# Altium PCB LED fix910 RD 2000278 (4F00224A_7P00494A).PcbDoc (part 1 of 3) (continued)
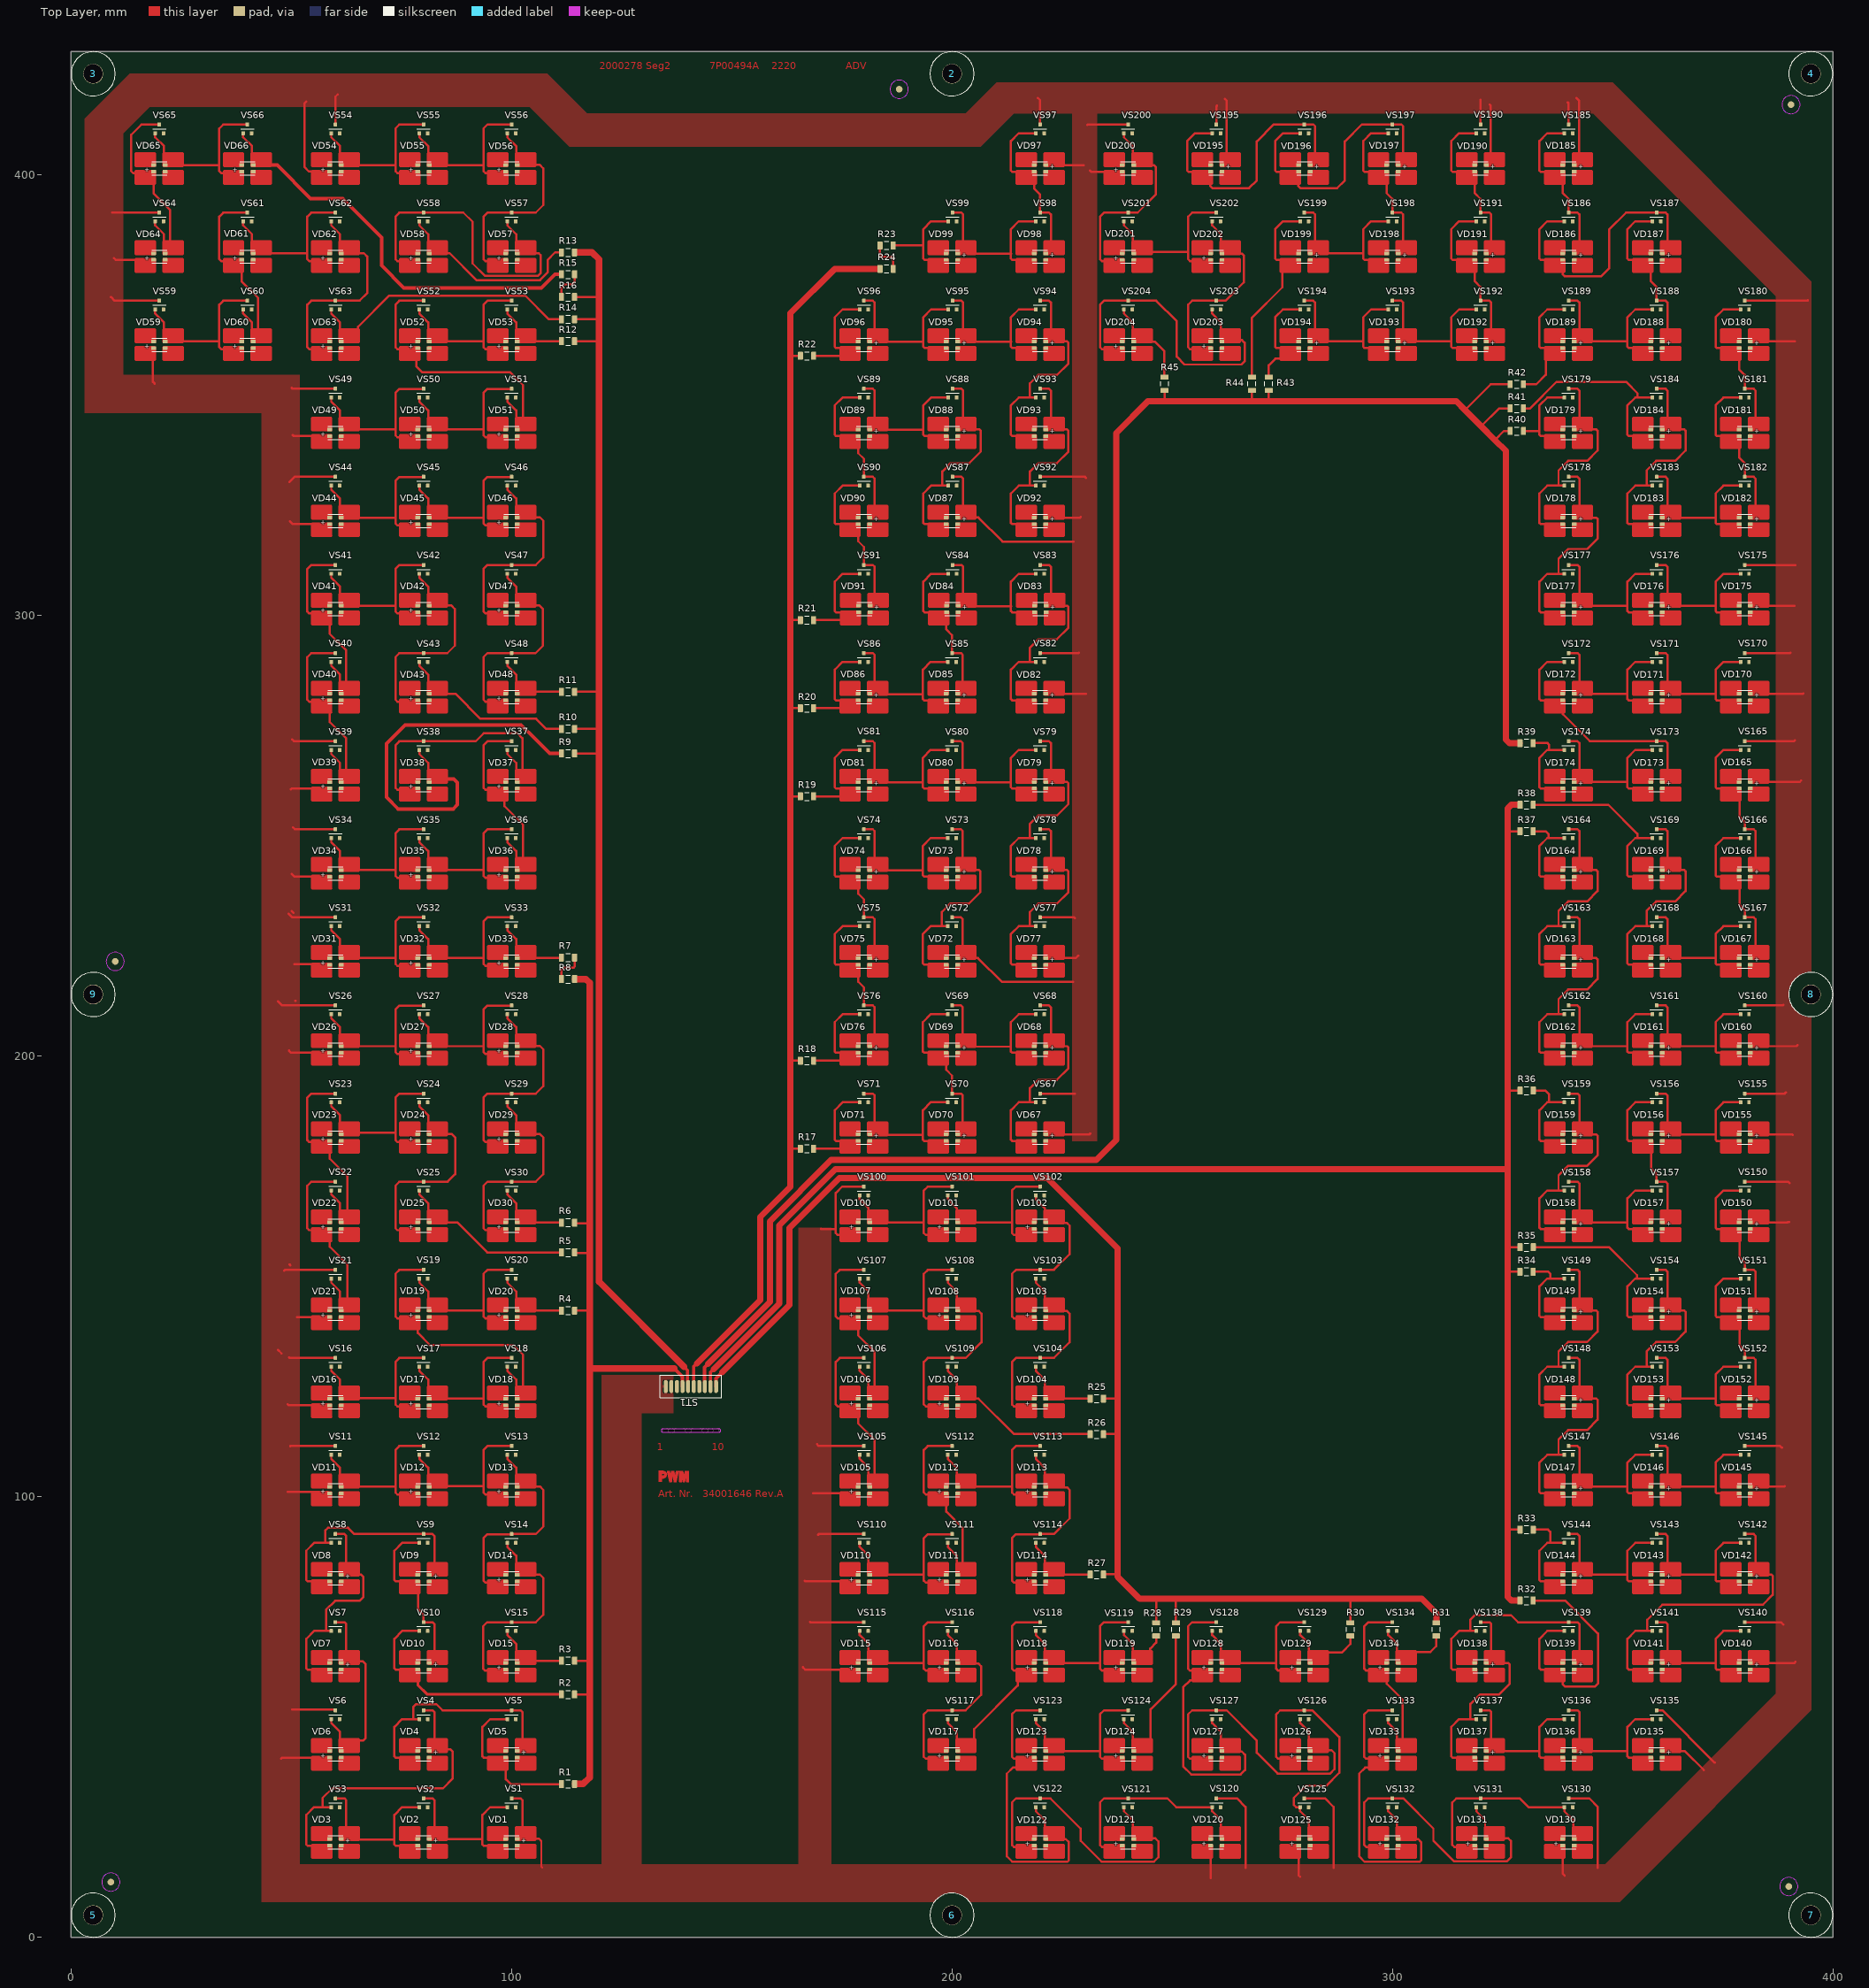
[diagram p0: Top Layer view]
## Components (designator, comment, footprint, x,y, rotation, side; value= is the part's Value field where it differs from the comment) (continued)
VD49 "LED, LS E65F-BBDA-1-Z, Red, OSRAM Opto Semiconductors Inc." E65F 60,341.5 r180 top value="LS E65F-BBDA-1-Z"
VD50 "LED, LS E65F-BBDA-1-Z, Red, OSRAM Opto Semiconductors Inc." E65F 80,341.5 r180 top value="LS E65F-BBDA-1-Z"
VD51 "LED, LS E65F-BBDA-1-Z, Red, OSRAM Opto Semiconductors Inc." E65F 100,341.5 r180 top value="LS E65F-BBDA-1-Z"
VD52 "LED, LS E65F-BBDA-1-Z, Red, OSRAM Opto Semiconductors Inc." E65F 80,361.503 r180 top value="LS E65F-BBDA-1-Z"
VD53 "LED, LS E65F-BBDA-1-Z, Red, OSRAM Opto Semiconductors Inc." E65F 100,361.505 r180 top value="LS E65F-BBDA-1-Z"
VD54 "LED, LS E65F-BBDA-1-Z, Red, OSRAM Opto Semiconductors Inc." E65F 60,401.503 r180 top value="LS E65F-BBDA-1-Z"
VD55 "LED, LS E65F-BBDA-1-Z, Red, OSRAM Opto Semiconductors Inc." E65F 80,401.503 r180 top value="LS E65F-BBDA-1-Z"
VD56 "LED, LS E65F-BBDA-1-Z, Red, OSRAM Opto Semiconductors Inc." E65F 100,401.503 r180 top value="LS E65F-BBDA-1-Z"
VD57 "LED, LS E65F-BBDA-1-Z, Red, OSRAM Opto Semiconductors Inc." E65F 100,381.503 r180 top value="LS E65F-BBDA-1-Z"
VD58 "LED, LS E65F-BBDA-1-Z, Red, OSRAM Opto Semiconductors Inc." E65F 80,381.503 r180 top value="LS E65F-BBDA-1-Z"
VD59 "LED, LS E65F-BBDA-1-Z, Red, OSRAM Opto Semiconductors Inc." E65F 20,361.503 r180 top value="LS E65F-BBDA-1-Z"
VD60 "LED, LS E65F-BBDA-1-Z, Red, OSRAM Opto Semiconductors Inc." E65F 40,361.503 r180 top value="LS E65F-BBDA-1-Z"
VD61 "LED, LS E65F-BBDA-1-Z, Red, OSRAM Opto Semiconductors Inc." E65F 40,381.503 r180 top value="LS E65F-BBDA-1-Z"
VD62 "LED, LS E65F-BBDA-1-Z, Red, OSRAM Opto Semiconductors Inc." E65F 60,381.503 r180 top value="LS E65F-BBDA-1-Z"
VD63 "LED, LS E65F-BBDA-1-Z, Red, OSRAM Opto Semiconductors Inc." E65F 60,361.503 r180 top value="LS E65F-BBDA-1-Z"
VD64 "LED, LS E65F-BBDA-1-Z, Red, OSRAM Opto Semiconductors Inc." E65F 20,381.503 r180 top value="LS E65F-BBDA-1-Z"
VD65 "LED, LS E65F-BBDA-1-Z, Red, OSRAM Opto Semiconductors Inc." E65F 20,401.503 r180 top value="LS E65F-BBDA-1-Z"
VD66 "LED, LS E65F-BBDA-1-Z, Red, OSRAM Opto Semiconductors Inc." E65F 40,401.503 r180 top value="LS E65F-BBDA-1-Z"
VD67 "LED, LS E65F-BBDA-1-Z, Red, OSRAM Opto Semiconductors Inc." E65F 220,181.5 r0 top value="LS E65F-BBDA-1-Z"
VD68 "LED, LS E65F-BBDA-1-Z, Red, OSRAM Opto Semiconductors Inc." E65F 220,201.5 r0 top value="LS E65F-BBDA-1-Z"
VD69 "LED, LS E65F-BBDA-1-Z, Red, OSRAM Opto Semiconductors Inc." E65F 200,201.5 r0 top value="LS E65F-BBDA-1-Z"
VD70 "LED, LS E65F-BBDA-1-Z, Red, OSRAM Opto Semiconductors Inc." E65F 200,181.5 r0 top value="LS E65F-BBDA-1-Z"
VD71 "LED, LS E65F-BBDA-1-Z, Red, OSRAM Opto Semiconductors Inc." E65F 180,181.5 r0 top value="LS E65F-BBDA-1-Z"
VD72 "LED, LS E65F-BBDA-1-Z, Red, OSRAM Opto Semiconductors Inc." E65F 200,221.5 r0 top value="LS E65F-BBDA-1-Z"
VD73 "LED, LS E65F-BBDA-1-Z, Red, OSRAM Opto Semiconductors Inc." E65F 200,241.5 r0 top value="LS E65F-BBDA-1-Z"
VD74 "LED, LS E65F-BBDA-1-Z, Red, OSRAM Opto Semiconductors Inc." E65F 180,241.5 r0 top value="LS E65F-BBDA-1-Z"
VD75 "LED, LS E65F-BBDA-1-Z, Red, OSRAM Opto Semiconductors Inc." E65F 180,221.5 r0 top value="LS E65F-BBDA-1-Z"
VD76 "LED, LS E65F-BBDA-1-Z, Red, OSRAM Opto Semiconductors Inc." E65F 180,201.5 r0 top value="LS E65F-BBDA-1-Z"
VD77 "LED, LS E65F-BBDA-1-Z, Red, OSRAM Opto Semiconductors Inc." E65F 220,221.5 r0 top value="LS E65F-BBDA-1-Z"
VD78 "LED, LS E65F-BBDA-1-Z, Red, OSRAM Opto Semiconductors Inc." E65F 220,241.5 r0 top value="LS E65F-BBDA-1-Z"
VD79 "LED, LS E65F-BBDA-1-Z, Red, OSRAM Opto Semiconductors Inc." E65F 220,261.5 r0 top value="LS E65F-BBDA-1-Z"
VD80 "LED, LS E65F-BBDA-1-Z, Red, OSRAM Opto Semiconductors Inc." E65F 200,261.5 r0 top value="LS E65F-BBDA-1-Z"
VD81 "LED, LS E65F-BBDA-1-Z, Red, OSRAM Opto Semiconductors Inc." E65F 180,261.5 r0 top value="LS E65F-BBDA-1-Z"
VD82 "LED, LS E65F-BBDA-1-Z, Red, OSRAM Opto Semiconductors Inc." E65F 220,281.5 r0 top value="LS E65F-BBDA-1-Z"
VD83 "LED, LS E65F-BBDA-1-Z, Red, OSRAM Opto Semiconductors Inc." E65F 220.1,301.5 r0 top value="LS E65F-BBDA-1-Z"
VD84 "LED, LS E65F-BBDA-1-Z, Red, OSRAM Opto Semiconductors Inc." E65F 200.1,301.5 r0 top value="LS E65F-BBDA-1-Z"
VD85 "LED, LS E65F-BBDA-1-Z, Red, OSRAM Opto Semiconductors Inc." E65F 200,281.5 r0 top value="LS E65F-BBDA-1-Z"
VD86 "LED, LS E65F-BBDA-1-Z, Red, OSRAM Opto Semiconductors Inc." E65F 180,281.5 r0 top value="LS E65F-BBDA-1-Z"
VD87 "LED, LS E65F-BBDA-1-Z, Red, OSRAM Opto Semiconductors Inc." E65F 200,321.5 r0 top value="LS E65F-BBDA-1-Z"
VD88 "LED, LS E65F-BBDA-1-Z, Red, OSRAM Opto Semiconductors Inc." E65F 200,341.5 r0 top value="LS E65F-BBDA-1-Z"
VD89 "LED, LS E65F-BBDA-1-Z, Red, OSRAM Opto Semiconductors Inc." E65F 180,341.5 r0 top value="LS E65F-BBDA-1-Z"
VD90 "LED, LS E65F-BBDA-1-Z, Red, OSRAM Opto Semiconductors Inc." E65F 180,321.5 r0 top value="LS E65F-BBDA-1-Z"
VD91 "LED, LS E65F-BBDA-1-Z, Red, OSRAM Opto Semiconductors Inc." E65F 180.1,301.5 r0 top value="LS E65F-BBDA-1-Z"
VD92 "LED, LS E65F-BBDA-1-Z, Red, OSRAM Opto Semiconductors Inc." E65F 220,321.5 r0 top value="LS E65F-BBDA-1-Z"
VD93 "LED, LS E65F-BBDA-1-Z, Red, OSRAM Opto Semiconductors Inc." E65F 220,341.5 r0 top value="LS E65F-BBDA-1-Z"
VD94 "LED, LS E65F-BBDA-1-Z, Red, OSRAM Opto Semiconductors Inc." E65F 220,361.5 r0 top value="LS E65F-BBDA-1-Z"
VD95 "LED, LS E65F-BBDA-1-Z, Red, OSRAM Opto Semiconductors Inc." E65F 200,361.5 r0 top value="LS E65F-BBDA-1-Z"
VD96 "LED, LS E65F-BBDA-1-Z, Red, OSRAM Opto Semiconductors Inc." E65F 180,361.5 r0 top value="LS E65F-BBDA-1-Z"
VD97 "LED, LS E65F-BBDA-1-Z, Red, OSRAM Opto Semiconductors Inc." E65F 220,401.5 r0 top value="LS E65F-BBDA-1-Z"
VD98 "LED, LS E65F-BBDA-1-Z, Red, OSRAM Opto Semiconductors Inc." E65F 220,381.5 r0 top value="LS E65F-BBDA-1-Z"
VD99 "LED, LS E65F-BBDA-1-Z, Red, OSRAM Opto Semiconductors Inc." E65F 200,381.5 r0 top value="LS E65F-BBDA-1-Z"
VD100 "LED, LS E65F-BBDA-1-Z, Red, OSRAM Opto Semiconductors Inc." E65F 180,161.5 r180 top value="LS E65F-BBDA-1-Z"
VD101 "LED, LS E65F-BBDA-1-Z, Red, OSRAM Opto Semiconductors Inc." E65F 200,161.5 r180 top value="LS E65F-BBDA-1-Z"
VD102 "LED, LS E65F-BBDA-1-Z, Red, OSRAM Opto Semiconductors Inc." E65F 220,161.5 r180 top value="LS E65F-BBDA-1-Z"
VD103 "LED, LS E65F-BBDA-1-Z, Red, OSRAM Opto Semiconductors Inc." E65F 220,141.5 r180 top value="LS E65F-BBDA-1-Z"
VD104 "LED, LS E65F-BBDA-1-Z, Red, OSRAM Opto Semiconductors Inc." E65F 220,121.5 r180 top value="LS E65F-BBDA-1-Z"
VD105 "LED, LS E65F-BBDA-1-Z, Red, OSRAM Opto Semiconductors Inc." E65F 180,101.5 r180 top value="LS E65F-BBDA-1-Z"
VD106 "LED, LS E65F-BBDA-1-Z, Red, OSRAM Opto Semiconductors Inc." E65F 180,121.5 r180 top value="LS E65F-BBDA-1-Z"
VD107 "LED, LS E65F-BBDA-1-Z, Red, OSRAM Opto Semiconductors Inc." E65F 180,141.5 r180 top value="LS E65F-BBDA-1-Z"
VD108 "LED, LS E65F-BBDA-1-Z, Red, OSRAM Opto Semiconductors Inc." E65F 200,141.5 r180 top value="LS E65F-BBDA-1-Z"
VD109 "LED, LS E65F-BBDA-1-Z, Red, OSRAM Opto Semiconductors Inc." E65F 200,121.5 r180 top value="LS E65F-BBDA-1-Z"
VD110 "LED, LS E65F-BBDA-1-Z, Red, OSRAM Opto Semiconductors Inc." E65F 180,81.5 r180 top value="LS E65F-BBDA-1-Z"
VD111 "LED, LS E65F-BBDA-1-Z, Red, OSRAM Opto Semiconductors Inc." E65F 200,81.5 r180 top value="LS E65F-BBDA-1-Z"
VD112 "LED, LS E65F-BBDA-1-Z, Red, OSRAM Opto Semiconductors Inc." E65F 200,101.5 r180 top value="LS E65F-BBDA-1-Z"
VD113 "LED, LS E65F-BBDA-1-Z, Red, OSRAM Opto Semiconductors Inc." E65F 220,101.5 r180 top value="LS E65F-BBDA-1-Z"
VD114 "LED, LS E65F-BBDA-1-Z, Red, OSRAM Opto Semiconductors Inc." E65F 220,81.5 r180 top value="LS E65F-BBDA-1-Z"
VD115 "LED, LS E65F-BBDA-1-Z, Red, OSRAM Opto Semiconductors Inc." E65F 180,61.5 r180 top value="LS E65F-BBDA-1-Z"
VD116 "LED, LS E65F-BBDA-1-Z, Red, OSRAM Opto Semiconductors Inc." E65F 200,61.5 r180 top value="LS E65F-BBDA-1-Z"
VD117 "LED, LS E65F-BBDA-1-Z, Red, OSRAM Opto Semiconductors Inc." E65F 200,41.5 r180 top value="LS E65F-BBDA-1-Z"
VD118 "LED, LS E65F-BBDA-1-Z, Red, OSRAM Opto Semiconductors Inc." E65F 220,61.5 r180 top value="LS E65F-BBDA-1-Z"
VD119 "LED, LS E65F-BBDA-1-Z, Red, OSRAM Opto Semiconductors Inc." E65F 240,61.5 r180 top value="LS E65F-BBDA-1-Z"
VD120 "LED, LS E65F-BBDA-1-Z, Red, OSRAM Opto Semiconductors Inc." E65F 260,21.5 r180 top value="LS E65F-BBDA-1-Z"
VD121 "LED, LS E65F-BBDA-1-Z, Red, OSRAM Opto Semiconductors Inc." E65F 240,21.5 r180 top value="LS E65F-BBDA-1-Z"
VD122 "LED, LS E65F-BBDA-1-Z, Red, OSRAM Opto Semiconductors Inc." E65F 220,21.5 r180 top value="LS E65F-BBDA-1-Z"
VD123 "LED, LS E65F-BBDA-1-Z, Red, OSRAM Opto Semiconductors Inc." E65F 220,41.5 r180 top value="LS E65F-BBDA-1-Z"
VD124 "LED, LS E65F-BBDA-1-Z, Red, OSRAM Opto Semiconductors Inc." E65F 240,41.5 r180 top value="LS E65F-BBDA-1-Z"
VD125 "LED, LS E65F-BBDA-1-Z, Red, OSRAM Opto Semiconductors Inc." E65F 280,21.5 r180 top value="LS E65F-BBDA-1-Z"
VD126 "LED, LS E65F-BBDA-1-Z, Red, OSRAM Opto Semiconductors Inc." E65F 280,41.5 r180 top value="LS E65F-BBDA-1-Z"
VD127 "LED, LS E65F-BBDA-1-Z, Red, OSRAM Opto Semiconductors Inc." E65F 260,41.5 r180 top value="LS E65F-BBDA-1-Z"
VD128 "LED, LS E65F-BBDA-1-Z, Red, OSRAM Opto Semiconductors Inc." E65F 260,61.5 r180 top value="LS E65F-BBDA-1-Z"
VD129 "LED, LS E65F-BBDA-1-Z, Red, OSRAM Opto Semiconductors Inc." E65F 280,61.5 r180 top value="LS E65F-BBDA-1-Z"
VD130 "LED, LS E65F-BBDA-1-Z, Red, OSRAM Opto Semiconductors Inc." E65F 340,21.5 r180 top value="LS E65F-BBDA-1-Z"
VD131 "LED, LS E65F-BBDA-1-Z, Red, OSRAM Opto Semiconductors Inc." E65F 320,21.5 r180 top value="LS E65F-BBDA-1-Z"
VD132 "LED, LS E65F-BBDA-1-Z, Red, OSRAM Opto Semiconductors Inc." E65F 300,21.5 r180 top value="LS E65F-BBDA-1-Z"
VD133 "LED, LS E65F-BBDA-1-Z, Red, OSRAM Opto Semiconductors Inc." E65F 300,41.5 r180 top value="LS E65F-BBDA-1-Z"
VD134 "LED, LS E65F-BBDA-1-Z, Red, OSRAM Opto Semiconductors Inc." E65F 300,61.5 r180 top value="LS E65F-BBDA-1-Z"
VD135 "LED, LS E65F-BBDA-1-Z, Red, OSRAM Opto Semiconductors Inc." E65F 360,41.5 r0 top value="LS E65F-BBDA-1-Z"
VD136 "LED, LS E65F-BBDA-1-Z, Red, OSRAM Opto Semiconductors Inc." E65F 340,41.5 r0 top value="LS E65F-BBDA-1-Z"
VD137 "LED, LS E65F-BBDA-1-Z, Red, OSRAM Opto Semiconductors Inc." E65F 320,41.5 r0 top value="LS E65F-BBDA-1-Z"
VD138 "LED, LS E65F-BBDA-1-Z, Red, OSRAM Opto Semiconductors Inc." E65F 320,61.5 r0 top value="LS E65F-BBDA-1-Z"
VD139 "LED, LS E65F-BBDA-1-Z, Red, OSRAM Opto Semiconductors Inc." E65F 340,61.5 r0 top value="LS E65F-BBDA-1-Z"
VD140 "LED, LS E65F-BBDA-1-Z, Red, OSRAM Opto Semiconductors Inc." E65F 380,61.5 r0 top value="LS E65F-BBDA-1-Z"
VD141 "LED, LS E65F-BBDA-1-Z, Red, OSRAM Opto Semiconductors Inc." E65F 360,61.5 r0 top value="LS E65F-BBDA-1-Z"
VD142 "LED, LS E65F-BBDA-1-Z, Red, OSRAM Opto Semiconductors Inc." E65F 380,81.5 r0 top value="LS E65F-BBDA-1-Z"
VD143 "LED, LS E65F-BBDA-1-Z, Red, OSRAM Opto Semiconductors Inc." E65F 360,81.5 r0 top value="LS E65F-BBDA-1-Z"
VD144 "LED, LS E65F-BBDA-1-Z, Red, OSRAM Opto Semiconductors Inc." E65F 340,81.5 r0 top value="LS E65F-BBDA-1-Z"
VD145 "LED, LS E65F-BBDA-1-Z, Red, OSRAM Opto Semiconductors Inc." E65F 380,101.5 r0 top value="LS E65F-BBDA-1-Z"
VD146 "LED, LS E65F-BBDA-1-Z, Red, OSRAM Opto Semiconductors Inc." E65F 360,101.5 r0 top value="LS E65F-BBDA-1-Z"
VD147 "LED, LS E65F-BBDA-1-Z, Red, OSRAM Opto Semiconductors Inc." E65F 340,101.5 r0 top value="LS E65F-BBDA-1-Z"
VD148 "LED, LS E65F-BBDA-1-Z, Red, OSRAM Opto Semiconductors Inc." E65F 340,121.5 r0 top value="LS E65F-BBDA-1-Z"
VD149 "LED, LS E65F-BBDA-1-Z, Red, OSRAM Opto Semiconductors Inc." E65F 340,141.5 r0 top value="LS E65F-BBDA-1-Z"
VD150 "LED, LS E65F-BBDA-1-Z, Red, OSRAM Opto Semiconductors Inc." E65F 380,161.5 r0 top value="LS E65F-BBDA-1-Z"
VD151 "LED, LS E65F-BBDA-1-Z, Red, OSRAM Opto Semiconductors Inc." E65F 380,141.5 r0 top value="LS E65F-BBDA-1-Z"
VD152 "LED, LS E65F-BBDA-1-Z, Red, OSRAM Opto Semiconductors Inc." E65F 380,121.5 r0 top value="LS E65F-BBDA-1-Z"
VD153 "LED, LS E65F-BBDA-1-Z, Red, OSRAM Opto Semiconductors Inc." E65F 360,121.5 r0 top value="LS E65F-BBDA-1-Z"
VD154 "LED, LS E65F-BBDA-1-Z, Red, OSRAM Opto Semiconductors Inc." E65F 360,141.5 r0 top value="LS E65F-BBDA-1-Z"
VD155 "LED, LS E65F-BBDA-1-Z, Red, OSRAM Opto Semiconductors Inc." E65F 380,181.5 r0 top value="LS E65F-BBDA-1-Z"
VD156 "LED, LS E65F-BBDA-1-Z, Red, OSRAM Opto Semiconductors Inc." E65F 360,181.5 r0 top value="LS E65F-BBDA-1-Z"
VD157 "LED, LS E65F-BBDA-1-Z, Red, OSRAM Opto Semiconductors Inc." E65F 360,161.5 r0 top value="LS E65F-BBDA-1-Z"
VD158 "LED, LS E65F-BBDA-1-Z, Red, OSRAM Opto Semiconductors Inc." E65F 340,161.5 r0 top value="LS E65F-BBDA-1-Z"
VD159 "LED, LS E65F-BBDA-1-Z, Red, OSRAM Opto Semiconductors Inc." E65F 340,181.5 r0 top value="LS E65F-BBDA-1-Z"
VD160 "LED, LS E65F-BBDA-1-Z, Red, OSRAM Opto Semiconductors Inc." E65F 380,201.5 r0 top value="LS E65F-BBDA-1-Z"
VD161 "LED, LS E65F-BBDA-1-Z, Red, OSRAM Opto Semiconductors Inc." E65F 360,201.5 r0 top value="LS E65F-BBDA-1-Z"
VD162 "LED, LS E65F-BBDA-1-Z, Red, OSRAM Opto Semiconductors Inc." E65F 340,201.5 r0 top value="LS E65F-BBDA-1-Z"
VD163 "LED, LS E65F-BBDA-1-Z, Red, OSRAM Opto Semiconductors Inc." E65F 340,221.5 r0 top value="LS E65F-BBDA-1-Z"
VD164 "LED, LS E65F-BBDA-1-Z, Red, OSRAM Opto Semiconductors Inc." E65F 340,241.5 r0 top value="LS E65F-BBDA-1-Z"
VD165 "LED, LS E65F-BBDA-1-Z, Red, OSRAM Opto Semiconductors Inc." E65F 380,261.5 r0 top value="LS E65F-BBDA-1-Z"
VD166 "LED, LS E65F-BBDA-1-Z, Red, OSRAM Opto Semiconductors Inc." E65F 380,241.5 r0 top value="LS E65F-BBDA-1-Z"
VD167 "LED, LS E65F-BBDA-1-Z, Red, OSRAM Opto Semiconductors Inc." E65F 380,221.5 r0 top value="LS E65F-BBDA-1-Z"
VD168 "LED, LS E65F-BBDA-1-Z, Red, OSRAM Opto Semiconductors Inc." E65F 360,221.5 r0 top value="LS E65F-BBDA-1-Z"
VD169 "LED, LS E65F-BBDA-1-Z, Red, OSRAM Opto Semiconductors Inc." E65F 360,241.5 r0 top value="LS E65F-BBDA-1-Z"
VD170 "LED, LS E65F-BBDA-1-Z, Red, OSRAM Opto Semiconductors Inc." E65F 380,281.5 r0 top value="LS E65F-BBDA-1-Z"
VD171 "LED, LS E65F-BBDA-1-Z, Red, OSRAM Opto Semiconductors Inc." E65F 360,281.5 r0 top value="LS E65F-BBDA-1-Z"
VD172 "LED, LS E65F-BBDA-1-Z, Red, OSRAM Opto Semiconductors Inc." E65F 340,281.5 r0 top value="LS E65F-BBDA-1-Z"
VD173 "LED, LS E65F-BBDA-1-Z, Red, OSRAM Opto Semiconductors Inc." E65F 360,261.5 r0 top value="LS E65F-BBDA-1-Z"
VD174 "LED, LS E65F-BBDA-1-Z, Red, OSRAM Opto Semiconductors Inc." E65F 340,261.5 r0 top value="LS E65F-BBDA-1-Z"
VD175 "LED, LS E65F-BBDA-1-Z, Red, OSRAM Opto Semiconductors Inc." E65F 380,301.5 r0 top value="LS E65F-BBDA-1-Z"
VD176 "LED, LS E65F-BBDA-1-Z, Red, OSRAM Opto Semiconductors Inc." E65F 360,301.5 r0 top value="LS E65F-BBDA-1-Z"
VD177 "LED, LS E65F-BBDA-1-Z, Red, OSRAM Opto Semiconductors Inc." E65F 340,301.5 r0 top value="LS E65F-BBDA-1-Z"
VD178 "LED, LS E65F-BBDA-1-Z, Red, OSRAM Opto Semiconductors Inc." E65F 340,321.5 r0 top value="LS E65F-BBDA-1-Z"
VD179 "LED, LS E65F-BBDA-1-Z, Red, OSRAM Opto Semiconductors Inc." E65F 340,341.5 r0 top value="LS E65F-BBDA-1-Z"
VD180 "LED, LS E65F-BBDA-1-Z, Red, OSRAM Opto Semiconductors Inc." E65F 380,361.5 r0 top value="LS E65F-BBDA-1-Z"
VD181 "LED, LS E65F-BBDA-1-Z, Red, OSRAM Opto Semiconductors Inc." E65F 380,341.5 r0 top value="LS E65F-BBDA-1-Z"
VD182 "LED, LS E65F-BBDA-1-Z, Red, OSRAM Opto Semiconductors Inc." E65F 380,321.5 r0 top value="LS E65F-BBDA-1-Z"
VD183 "LED, LS E65F-BBDA-1-Z, Red, OSRAM Opto Semiconductors Inc." E65F 360,321.5 r0 top value="LS E65F-BBDA-1-Z"
VD184 "LED, LS E65F-BBDA-1-Z, Red, OSRAM Opto Semiconductors Inc." E65F 360,341.5 r0 top value="LS E65F-BBDA-1-Z"
VD185 "LED, LS E65F-BBDA-1-Z, Red, OSRAM Opto Semiconductors Inc." E65F 340,401.5 r0 top value="LS E65F-BBDA-1-Z"
VD186 "LED, LS E65F-BBDA-1-Z, Red, OSRAM Opto Semiconductors Inc." E65F 340,381.5 r0 top value="LS E65F-BBDA-1-Z"
VD187 "LED, LS E65F-BBDA-1-Z, Red, OSRAM Opto Semiconductors Inc." E65F 360,381.5 r0 top value="LS E65F-BBDA-1-Z"
VD188 "LED, LS E65F-BBDA-1-Z, Red, OSRAM Opto Semiconductors Inc." E65F 360,361.5 r0 top value="LS E65F-BBDA-1-Z"
VD189 "LED, LS E65F-BBDA-1-Z, Red, OSRAM Opto Semiconductors Inc." E65F 340,361.5 r0 top value="LS E65F-BBDA-1-Z"
VD190 "LED, LS E65F-BBDA-1-Z, Red, OSRAM Opto Semiconductors Inc." E65F 320,401.5 r0 top value="LS E65F-BBDA-1-Z"
VD191 "LED, LS E65F-BBDA-1-Z, Red, OSRAM Opto Semiconductors Inc." E65F 320,381.5 r0 top value="LS E65F-BBDA-1-Z"
VD192 "LED, LS E65F-BBDA-1-Z, Red, OSRAM Opto Semiconductors Inc." E65F 320,361.5 r0 top value="LS E65F-BBDA-1-Z"
VD193 "LED, LS E65F-BBDA-1-Z, Red, OSRAM Opto Semiconductors Inc." E65F 300,361.5 r0 top value="LS E65F-BBDA-1-Z"
VD194 "LED, LS E65F-BBDA-1-Z, Red, OSRAM Opto Semiconductors Inc." E65F 280,361.5 r0 top value="LS E65F-BBDA-1-Z"
VD195 "LED, LS E65F-BBDA-1-Z, Red, OSRAM Opto Semiconductors Inc." E65F 260,401.5 r0 top value="LS E65F-BBDA-1-Z"
VD196 "LED, LS E65F-BBDA-1-Z, Red, OSRAM Opto Semiconductors Inc." E65F 280,401.5 r0 top value="LS E65F-BBDA-1-Z"
VD197 "LED, LS E65F-BBDA-1-Z, Red, OSRAM Opto Semiconductors Inc." E65F 300,401.5 r0 top value="LS E65F-BBDA-1-Z"
VD198 "LED, LS E65F-BBDA-1-Z, Red, OSRAM Opto Semiconductors Inc." E65F 300,381.5 r0 top value="LS E65F-BBDA-1-Z"
VD199 "LED, LS E65F-BBDA-1-Z, Red, OSRAM Opto Semiconductors Inc." E65F 280,381.5 r0 top value="LS E65F-BBDA-1-Z"
VD200 "LED, LS E65F-BBDA-1-Z, Red, OSRAM Opto Semiconductors Inc." E65F 240,401.5 r180 top value="LS E65F-BBDA-1-Z"
VD201 "LED, LS E65F-BBDA-1-Z, Red, OSRAM Opto Semiconductors Inc." E65F 240,381.5 r180 top value="LS E65F-BBDA-1-Z"
VD202 "LED, LS E65F-BBDA-1-Z, Red, OSRAM Opto Semiconductors Inc." E65F 260,381.5 r180 top value="LS E65F-BBDA-1-Z"
VD203 "LED, LS E65F-BBDA-1-Z, Red, OSRAM Opto Semiconductors Inc." E65F 260,361.5 r180 top value="LS E65F-BBDA-1-Z"
VD204 "LED, LS E65F-BBDA-1-Z, Red, OSRAM Opto Semiconductors Inc." E65F 240,361.5 r180 top value="LS E65F-BBDA-1-Z"
VS1 "BZX84" SOT23 100,30.5 r90 top
VS2 "BZX84" SOT23 80,30.5 r90 top
VS3 "BZX84" SOT23 60,30.5 r90 top
VS4 "BZX84" SOT23 80,50.5 r90 top
VS5 "BZX84" SOT23 100,50.5 r90 top
VS6 "BZX84" SOT23 60,50.5 r90 top
VS7 "BZX84" SOT23 60,70.5 r90 top
VS8 "BZX84" SOT23 60,90.5 r90 top
VS9 "BZX84" SOT23 80,90.5 r90 top
VS10 "BZX84" SOT23 80,70.5 r90 top
VS11 "BZX84" SOT23 60,110.5 r90 top
VS12 "BZX84" SOT23 80,110.5 r90 top
VS13 "BZX84" SOT23 100,110.5 r90 top
VS14 "BZX84" SOT23 100,90.5 r90 top
VS15 "BZX84" SOT23 100,70.5 r90 top
VS16 "BZX84" SOT23 60,130.5 r90 top
VS17 "BZX84" SOT23 80,130.5 r90 top
VS18 "BZX84" SOT23 100,130.5 r90 top
VS19 "BZX84" SOT23 80,150.5 r90 top
VS20 "BZX84" SOT23 100,150.5 r90 top
VS21 "BZX84" SOT23 60,150.5 r90 top
VS22 "BZX84" SOT23 60,170.5 r90 top
VS23 "BZX84" SOT23 60,190.5 r90 top
VS24 "BZX84" SOT23 80,190.5 r90 top
VS25 "BZX84" SOT23 80,170.5 r90 top
VS26 "BZX84" SOT23 60,210.5 r90 top
VS27 "BZX84" SOT23 80,210.5 r90 top
VS28 "BZX84" SOT23 100,210.5 r90 top
VS29 "BZX84" SOT23 100,190.5 r90 top
VS30 "BZX84" SOT23 100,170.5 r90 top
VS31 "BZX84" SOT23 60,230.5 r90 top
VS32 "BZX84" SOT23 80,230.5 r90 top
VS33 "BZX84" SOT23 100,230.5 r90 top
VS34 "BZX84" SOT23 60,250.5 r90 top
VS35 "BZX84" SOT23 80,250.5 r90 top
VS36 "BZX84" SOT23 100,250.5 r90 top
VS37 "BZX84" SOT23 100,270.5 r90 top
VS38 "BZX84" SOT23 80,270.5 r90 top
VS39 "BZX84" SOT23 60,270.5 r90 top
VS40 "BZX84" SOT23 60,290.5 r90 top
VS41 "BZX84" SOT23 60,310.5 r90 top
VS42 "BZX84" SOT23 80,310.5 r90 top
VS43 "BZX84" SOT23 80,290.5 r90 top
VS44 "BZX84" SOT23 60,330.5 r90 top
VS45 "BZX84" SOT23 80,330.5 r90 top
VS46 "BZX84" SOT23 100,330.5 r90 top
VS47 "BZX84" SOT23 100,310.5 r90 top
VS48 "BZX84" SOT23 100,290.5 r90 top
VS49 "BZX84" SOT23 60,350.5 r90 top
VS50 "BZX84" SOT23 80,350.5 r90 top
VS51 "BZX84" SOT23 100,350.5 r90 top
VS52 "BZX84" SOT23 80,370.5 r90 top
VS53 "BZX84" SOT23 100,370.503 r90 top
VS54 "BZX84" SOT23 60,410.5 r90 top
VS55 "BZX84" SOT23 80,410.5 r90 top
VS56 "BZX84" SOT23 100,410.5 r90 top
VS57 "BZX84" SOT23 100,390.5 r90 top
VS58 "BZX84" SOT23 80,390.5 r90 top
VS59 "BZX84" SOT23 20,370.5 r90 top
VS60 "BZX84" SOT23 40,370.5 r90 top
VS61 "BZX84" SOT23 40,390.5 r90 top
VS62 "BZX84" SOT23 60,390.5 r90 top
VS63 "BZX84" SOT23 60,370.5 r90 top
VS64 "BZX84" SOT23 20,390.5 r90 top
VS65 "BZX84" SOT23 20,410.5 r90 top
VS66 "BZX84" SOT23 40,410.5 r90 top
VS67 "BZX84" SOT23 220,190.5 r90 top
VS68 "BZX84" SOT23 220,210.5 r90 top
VS69 "BZX84" SOT23 200,210.5 r90 top
VS70 "BZX84" SOT23 200,190.5 r90 top
VS71 "BZX84" SOT23 180,190.5 r90 top
VS72 "BZX84" SOT23 200,230.5 r90 top
VS73 "BZX84" SOT23 200,250.5 r90 top
VS74 "BZX84" SOT23 180,250.5 r90 top
VS75 "BZX84" SOT23 180,230.5 r90 top
VS76 "BZX84" SOT23 180,210.5 r90 top
VS77 "BZX84" SOT23 220,230.5 r90 top
VS78 "BZX84" SOT23 220,250.5 r90 top
VS79 "BZX84" SOT23 220,270.5 r90 top
VS80 "BZX84" SOT23 200,270.5 r90 top
VS81 "BZX84" SOT23 180,270.5 r90 top
VS82 "BZX84" SOT23 220,290.5 r90 top
VS83 "BZX84" SOT23 220,310.5 r90 top
VS84 "BZX84" SOT23 200.101,310.5 r90 top
VS85 "BZX84" SOT23 200,290.5 r90 top
VS86 "BZX84" SOT23 180,290.5 r90 top
VS87 "BZX84" SOT23 200.101,330.5 r90 top
VS88 "BZX84" SOT23 200.101,350.5 r90 top
VS89 "BZX84" SOT23 180,350.5 r90 top
VS90 "BZX84" SOT23 180,330.5 r90 top
VS91 "BZX84" SOT23 180,310.5 r90 top
VS92 "BZX84" SOT23 220,330.5 r90 top
VS93 "BZX84" SOT23 220,350.5 r90 top
VS94 "BZX84" SOT23 220,370.5 r90 top
VS95 "BZX84" SOT23 200.101,370.5 r90 top
VS96 "BZX84" SOT23 180,370.5 r90 top
VS97 "BZX84" SOT23 220,410.5 r90 top
VS98 "BZX84" SOT23 220,390.5 r90 top
VS99 "BZX84" SOT23 200.101,390.5 r90 top
VS100 "BZX84" SOT23 180,169.4 r90 top
VS101 "BZX84" SOT23 200,169.4 r90 top
VS102 "BZX84" SOT23 220,169.4 r90 top
VS103 "BZX84" SOT23 220,150.5 r90 top
VS104 "BZX84" SOT23 220,130.5 r90 top
VS105 "BZX84" SOT23 180,110.5 r90 top
VS106 "BZX84" SOT23 180,130.5 r90 top
VS107 "BZX84" SOT23 180,150.5 r90 top
VS108 "BZX84" SOT23 200,150.5 r90 top
VS109 "BZX84" SOT23 200,130.5 r90 top
VS110 "BZX84" SOT23 180,90.5 r90 top
VS111 "BZX84" SOT23 200,90.5 r90 top
VS112 "BZX84" SOT23 200,110.5 r90 top
VS113 "BZX84" SOT23 220,110.5 r90 top
VS114 "BZX84" SOT23 220,90.5 r90 top
VS115 "BZX84" SOT23 180,70.5 r90 top
VS116 "BZX84" SOT23 200,70.5 r90 top
VS117 "BZX84" SOT23 200,50.5 r90 top
VS118 "BZX84" SOT23 220,70.5 r90 top
VS119 "BZX84" SOT23 240,70.5 r90 top
VS120 "BZX84" SOT23 260,30.5 r90 top
VS121 "BZX84" SOT23 240,30.5 r90 top
VS122 "BZX84" SOT23 220,30.5 r90 top
VS123 "BZX84" SOT23 220,50.5 r90 top
VS124 "BZX84" SOT23 240,50.5 r90 top
VS125 "BZX84" SOT23 280,30.5 r90 top
VS126 "BZX84" SOT23 280,50.5 r90 top
VS127 "BZX84" SOT23 260,50.5 r90 top
VS128 "BZX84" SOT23 260,70.5 r90 top
VS129 "BZX84" SOT23 280,70.5 r90 top
VS130 "BZX84" SOT23 340,30.5 r90 top
VS131 "BZX84" SOT23 320,30.5 r90 top
VS132 "BZX84" SOT23 300,30.5 r90 top
VS133 "BZX84" SOT23 300,50.5 r90 top
VS134 "BZX84" SOT23 300,70.5 r90 top
VS135 "BZX84" SOT23 360,50.5 r90 top
VS136 "BZX84" SOT23 340,50.5 r90 top
VS137 "BZX84" SOT23 320,50.5 r90 top
VS138 "BZX84" SOT23 320,70.5 r90 top
VS139 "BZX84" SOT23 340,70.5 r90 top
VS140 "BZX84" SOT23 380,70.5 r90 top
VS141 "BZX84" SOT23 360,70.5 r90 top
VS142 "BZX84" SOT23 380,90.5 r90 top
VS143 "BZX84" SOT23 360,90.5 r90 top
VS144 "BZX84" SOT23 340,90.5 r90 top
VS145 "BZX84" SOT23 380,110.5 r90 top
VS146 "BZX84" SOT23 360,110.5 r90 top
VS147 "BZX84" SOT23 340,110.5 r90 top
VS148 "BZX84" SOT23 340,130.5 r90 top
VS149 "BZX84" SOT23 340,150.5 r90 top
VS150 "BZX84" SOT23 380,170.5 r90 top
VS151 "BZX84" SOT23 380,150.5 r90 top
VS152 "BZX84" SOT23 380,130.5 r90 top
VS153 "BZX84" SOT23 360,130.5 r90 top
VS154 "BZX84" SOT23 360,150.5 r90 top
VS155 "BZX84" SOT23 380,190.5 r90 top
VS156 "BZX84" SOT23 360,190.5 r90 top
VS157 "BZX84" SOT23 360,170.5 r90 top
VS158 "BZX84" SOT23 340,170.5 r90 top
VS159 "BZX84" SOT23 340,190.5 r90 top
VS160 "BZX84" SOT23 380,210.5 r90 top
VS161 "BZX84" SOT23 360,210.5 r90 top
VS162 "BZX84" SOT23 340,210.5 r90 top
VS163 "BZX84" SOT23 340,230.5 r90 top
VS164 "BZX84" SOT23 340,250.5 r90 top
VS165 "BZX84" SOT23 380,270.5 r90 top
VS166 "BZX84" SOT23 380,250.5 r90 top
VS167 "BZX84" SOT23 380,230.5 r90 top
VS168 "BZX84" SOT23 360,230.5 r90 top
VS169 "BZX84" SOT23 360,250.5 r90 top
VS170 "BZX84" SOT23 380,290.5 r90 top
VS171 "BZX84" SOT23 360,290.5 r90 top
VS172 "BZX84" SOT23 340,290.5 r90 top
VS173 "BZX84" SOT23 360,270.5 r90 top
VS174 "BZX84" SOT23 340,270.5 r90 top
VS175 "BZX84" SOT23 380,310.5 r90 top
VS176 "BZX84" SOT23 360,310.5 r90 top
VS177 "BZX84" SOT23 340,310.5 r90 top
VS178 "BZX84" SOT23 340,330.5 r90 top
VS179 "BZX84" SOT23 340,350.5 r90 top
VS180 "BZX84" SOT23 380,370.5 r90 top
VS181 "BZX84" SOT23 380,350.5 r90 top
VS182 "BZX84" SOT23 380,330.5 r90 top
VS183 "BZX84" SOT23 360,330.5 r90 top
VS184 "BZX84" SOT23 360,350.5 r90 top
VS185 "BZX84" SOT23 340,410.5 r90 top
VS186 "BZX84" SOT23 340,390.5 r90 top
VS187 "BZX84" SOT23 360,390.5 r90 top
VS188 "BZX84" SOT23 360,370.5 r90 top
VS189 "BZX84" SOT23 340,370.5 r90 top
VS190 "BZX84" SOT23 320,410.5 r90 top
VS191 "BZX84" SOT23 320,390.5 r90 top
VS192 "BZX84" SOT23 320,370.5 r90 top
VS193 "BZX84" SOT23 300,370.5 r90 top
VS194 "BZX84" SOT23 280,370.5 r90 top
VS195 "BZX84" SOT23 260,410.5 r90 top
VS196 "BZX84" SOT23 280,410.5 r90 top
VS197 "BZX84" SOT23 300,410.5 r90 top
VS198 "BZX84" SOT23 300,390.5 r90 top
VS199 "BZX84" SOT23 280,390.5 r90 top
VS200 "BZX84" SOT23 240,410.5 r90 top
VS201 "BZX84" SOT23 240,390.5 r90 top
VS202 "BZX84" SOT23 260,390.5 r90 top
VS203 "BZX84" SOT23 260,370.5 r90 top
VS204 "BZX84" SOT23 240,370.5 r90 top

## Footprints (in the part's own frame and the unit in brackets; to place one, negate y for a bottom-side part, rotate by r counter-clockwise, add the part's x,y. Pads: shape width x height; smd on the part's side, far side on the other; paste and mask are expansions set on the pad)
BAND10_M [mm]
  oval 0.91x2.95 smd: 1(0,0) 2(-1.27,0) 3(-2.54,0) 4(-3.81,0) 5(-5.08,0) 6(-6.35,0) 7(-7.62,0) 8(-8.89,0) 9(-10.16,0) 10(-11.43,0)
  round 1.2 hole 1.2 unplated: 11(-11.43,10) 12(-10.16,10) 13(-8.89,10) 14(-7.62,10) 15(-6.35,10) 16(-5.08,10) 17(-3.81,10) 18(-2.54,10) 19(-1.27,10) 20(0,10)
  Keep-Out Layer lines w0.1: 0.635,10.4 cw(c0.635,10) 0.635,9.6 -12.065,9.6 cw(c-12.065,10) -12.065,10.4 0.635,10.4
  silkscreen extent -12.7,-2.54 1.27,2.54
DRILL4.3 [mm]
  round 4.5 hole 4.3 unplated: 1(0,0)
  silkscreen extent -5,-5 5,5, body extent -4,-4 4,4
E65F [mm]
  rrect10% 1.1x0.8 smd paste-0.5 mask-0.7: 1(-1.3,-0.75) 2(1.3,0.75) 3(-1.3,0.75) 4(1.3,-0.75)
  Top Layer region: -5.35,-3.65 -0.95,-3.65 -0.75,-3.45 -0.75,-0.55 -0.95,-0.35 -5.35,-0.35 -5.35,-0.35 -5.55,-0.55 -5.55,-0.55 -5.55,-3.45
  Top Layer region: 0.95,-3.65 5.35,-3.65 5.55,-3.45 5.55,-0.55 5.35,-0.35 0.95,-0.35 0.95,-0.35 0.75,-0.55 0.75,-0.55 0.75,-3.45
  Top Layer region: 0.95,0.35 5.35,0.35 5.55,0.55 5.55,3.45 5.35,3.65 0.95,3.65 0.95,3.65 0.75,3.45 0.75,3.45 0.75,0.55
  Top Layer region: -5.35,0.35 -0.95,0.35 -0.75,0.55 -0.75,3.45 -0.95,3.65 -5.35,3.65 -5.35,3.65 -5.55,3.45 -5.55,3.45 -5.55,0.55
  silkscreen extent -1.7,-1.5 1.7,1.5, body extent -1.75,-1.4 1.75,1.4, height 3.43
RC1206S [mm]
  rrect20% 1.15x1.8 smd paste-0.025 mask+0.1: 1(-1.5,0) 2(1.5,0)
  silkscreen extent -0.5,-0.9 0.5,0.9, body extent -1.5,-0.8 1.5,0.8, height 0.63
SOT23 [mm]
  rrect25% 0.9x0.8 smd paste-0.025: 1(-1,0.95) 2(-1,-0.95) 3(1,0)
  silkscreen extent 0,-1.5 0,1.5, body extent -1.25,-1.5 1.25,1.5, height 1.09

## Part data
VD1 VD2 VD3 VD4 VD5 VD6 VD7 VD8 VD9 VD10 VD11 VD12 VD13 VD14 VD15 VD16 VD17 VD18 VD19 VD20 VD21 VD22 VD23 VD24 VD25 VD26 VD27 VD28 VD29 VD30 VD31 VD32 VD33 VD34 VD35 VD36 VD37 VD38 VD39 VD40 VD41 VD42 VD43 VD44 VD45 VD46 VD47 VD48 VD49 VD50 VD51 VD52 VD53 VD54 VD55 VD56 VD57 VD58 VD59 VD60 VD61 VD62 VD63 VD64 VD65 VD66 VD67 VD68 VD69 VD70 VD71 VD72 VD73 VD74 VD75 VD76 VD77 VD78 VD79 VD80 VD81 VD82 VD83 VD84 VD85 VD86 VD87 VD88 VD89 VD90 VD91 VD92 VD93 VD94 VD95 VD96 VD97 VD98 VD99 VD100 VD101 VD102 VD103 VD104 VD105 VD106 VD107 VD108 VD109 VD110 VD111 VD112 VD113 VD114 VD115 VD116 VD117 VD118 VD119 VD120 VD121 VD122 VD123 VD124 VD125 VD126 VD127 VD128 VD129 VD130 VD131 VD132 VD133 VD134 VD135 VD136 VD137 VD138 VD139 VD140 VD141 VD142 VD143 VD144 VD145 VD146 VD147 VD148 VD149 VD150 VD151 VD152 VD153 VD154 VD155 VD156 VD157 VD158 VD159 VD160 VD161 VD162 VD163 VD164 VD165 VD166 VD167 VD168 VD169 VD170 VD171 VD172 VD173 VD174 VD175 VD176 VD177 VD178 VD179 VD180 VD181 VD182 VD183 VD184 VD185 VD186 VD187 VD188 VD189 VD190 VD191 VD192 VD193 VD194 VD195 VD196 VD197 VD198 VD199 VD200 VD201 VD202 VD203 VD204: library part 4176, Manufacturer="OSRAM Opto Semiconductors Inc.", Manufacturer_PN="LS E65F-BBDA-1-Z", Operating_Temperature=-40°C...+85°C, Package=PLCC-4, Component_Group=Diodes, Component_Type=LED, ComponentLink1Description=Datasheet, ComponentLink1URL=https://media.digikey.com/pdf/Data%20Sheets/Osram%20PDFs/LS_E65F_Rev1.2.pdf, Date_of_Creation="30.10.2018 19:15:38", Date_of_Update="12.11.2018 13:55:11", idComponent=4176, Jofre_PN=HL1032, Marking_Code=-, Mounting_Type=SMD, Notes="price Digi-Key @2.000", Price_EUR=0,15835, Status=Unchecked, Tech_Specification="LED Chip, LS E65F-BBDA-1-Z, Red, 633nm, 3920mcd, 60 deg, 2,15V, 50 mA, -40°C...+85°C, PLCC-4, OSRAM Opto Semiconductors Inc.", User=ke-sta@kd-sta
ST1: ModifyDate="07/10/2006 11:23:08"
VS1 VS2 VS3 VS4 VS5 VS6 VS7 VS8 VS9 VS10 VS11 VS12 VS13 VS14 VS15 VS16 VS17 VS18 VS19 VS20 VS21 VS22 VS23 VS24 VS25 VS26 VS27 VS28 VS29 VS30 VS31 VS32 VS33 VS34 VS35 VS36 VS37 VS38 VS39 VS40 VS41 VS42 VS43 VS44 VS45 VS46 VS47 VS48 VS49 VS50 VS51 VS52 VS53 VS54 VS55 VS56 VS57 VS58 VS59 VS60 VS61 VS62 VS63 VS64 VS65 VS66 VS67 VS68 VS69 VS70 VS71 VS72 VS73 VS74 VS75 VS76 VS77 VS78 VS79 VS80 VS81 VS82 VS83 VS84 VS85 VS86 VS87 VS88 VS89 VS90 VS91 VS92 VS93 VS94 VS95 VS96 VS97 VS98 VS99 VS100 VS101 VS102 VS103 VS104 VS105 VS106 VS107 VS108 VS109 VS110 VS111 VS112 VS113 VS114 VS115 VS116 VS117 VS118 VS119 VS120 VS121 VS122 VS123 VS124 VS125 VS126 VS127 VS128 VS129 VS130 VS131 VS132 VS133 VS134 VS135 VS136 VS137 VS138 VS139 VS140 VS141 VS142 VS143 VS144 VS145 VS146 VS147 VS148 VS149 VS150 VS151 VS152 VS153 VS154 VS155 VS156 VS157 VS158 VS159 VS160 VS161 VS162 VS163 VS164 VS165 VS166 VS167 VS168 VS169 VS170 VS171 VS172 VS173 VS174 VS175 VS176 VS177 VS178 VS179 VS180 VS181 VS182 VS183 VS184 VS185 VS186 VS187 VS188 VS189 VS190 VS191 VS192 VS193 VS194 VS195 VS196 VS197 VS198 VS199 VS200 VS201 VS202 VS203 VS204: OriginalName=DIODE

## Free pads (board coordinates)
  round 1.5 smd paste-1 mask+1.3: 2(9,12.5) 2(10,221.5) 2(188,419.5) 2(390,11.5) 2(390.5,416)

## Nets (pads, with @x,y where several pads share a name; then routed paths per layer and width w, separated by ;. In a path a pad name is that pad's centre, name@x,y a point inside that pad or via, vN(x,y) a via of type N, cw(c..) or ccw(c..) an arc to the next point about the centre after c; other vN are vias at no path point)
A: R25.2 R26.2 R27.2 R28.2 R29.2 R30.2 R31.2 ST1.10 | length 307.2
  Top Layer w0.5: R27.2@234.375,82.325 234.45,82.4 237.575,82.4 ; R26.2@234.375,114.15 234.475,114.25 237.575,114.25 ; R25.2@234.375,122.25 237.575,122.25 ; 246.05,76.8 246.375,76.475 R28.2@246.375,71.375 ; 250.725,76.8 250.836,76.689 R29.2@250.836,71.375 ; 290.425,76.8 290.425,71.4 R30.2@290.45,71.375
  Top Layer w0.8: ST1.10@146.43,125 146.43,126.83 147.85,128.25
  Top Layer w1.4: 147.85,128.25 163.125,143.525 163.125,160.975 174.475,172.325 221.6,172.325 237.575,156.35 237.575,122.25 237.575,114.25 237.575,82.4 237.575,81.8 242.575,76.8 246.05,76.8 250.725,76.8 290.425,76.8 306.65,76.8 309.975,73.475 R31.2@309.975,71.5
B: R17.2 R18.2 R19.2 R20.2 R21.2 R22.2 R24.2 ST1.6 | length 290.9
  Top Layer w0.5: 163.325,179.125 163.475,178.975 R17.2@165.575,178.975 ; 163.325,198.9 163.4,198.975 R18.2@165.575,198.975 ; 163.325,259.05 163.4,258.975 R19.2@165.575,258.975 ; 163.325,278.95 163.35,278.975 R20.2@165.575,278.975 ; 163.325,298.925 163.375,298.975 R21.2@165.575,298.975 ; 163.325,358.725 163.575,358.975 R22.2@165.575,358.975
  Top Layer w0.75: ST1.6@141.35,125 141.363,125.014 141.363,129.538 142.075,130.25
  Top Layer w1.4: 142.075,130.25 156.475,144.65 156.475,163.45 163.325,170.3 163.325,179.125 163.325,198.9 163.325,259.05 163.325,278.95 163.325,298.925 163.325,358.725 163.325,368.675 173.38,378.73 R24.2@183.484,378.73